# Altium PCB GN-1866-A-V2.PCBDOC (part 1 of 5) (continued)
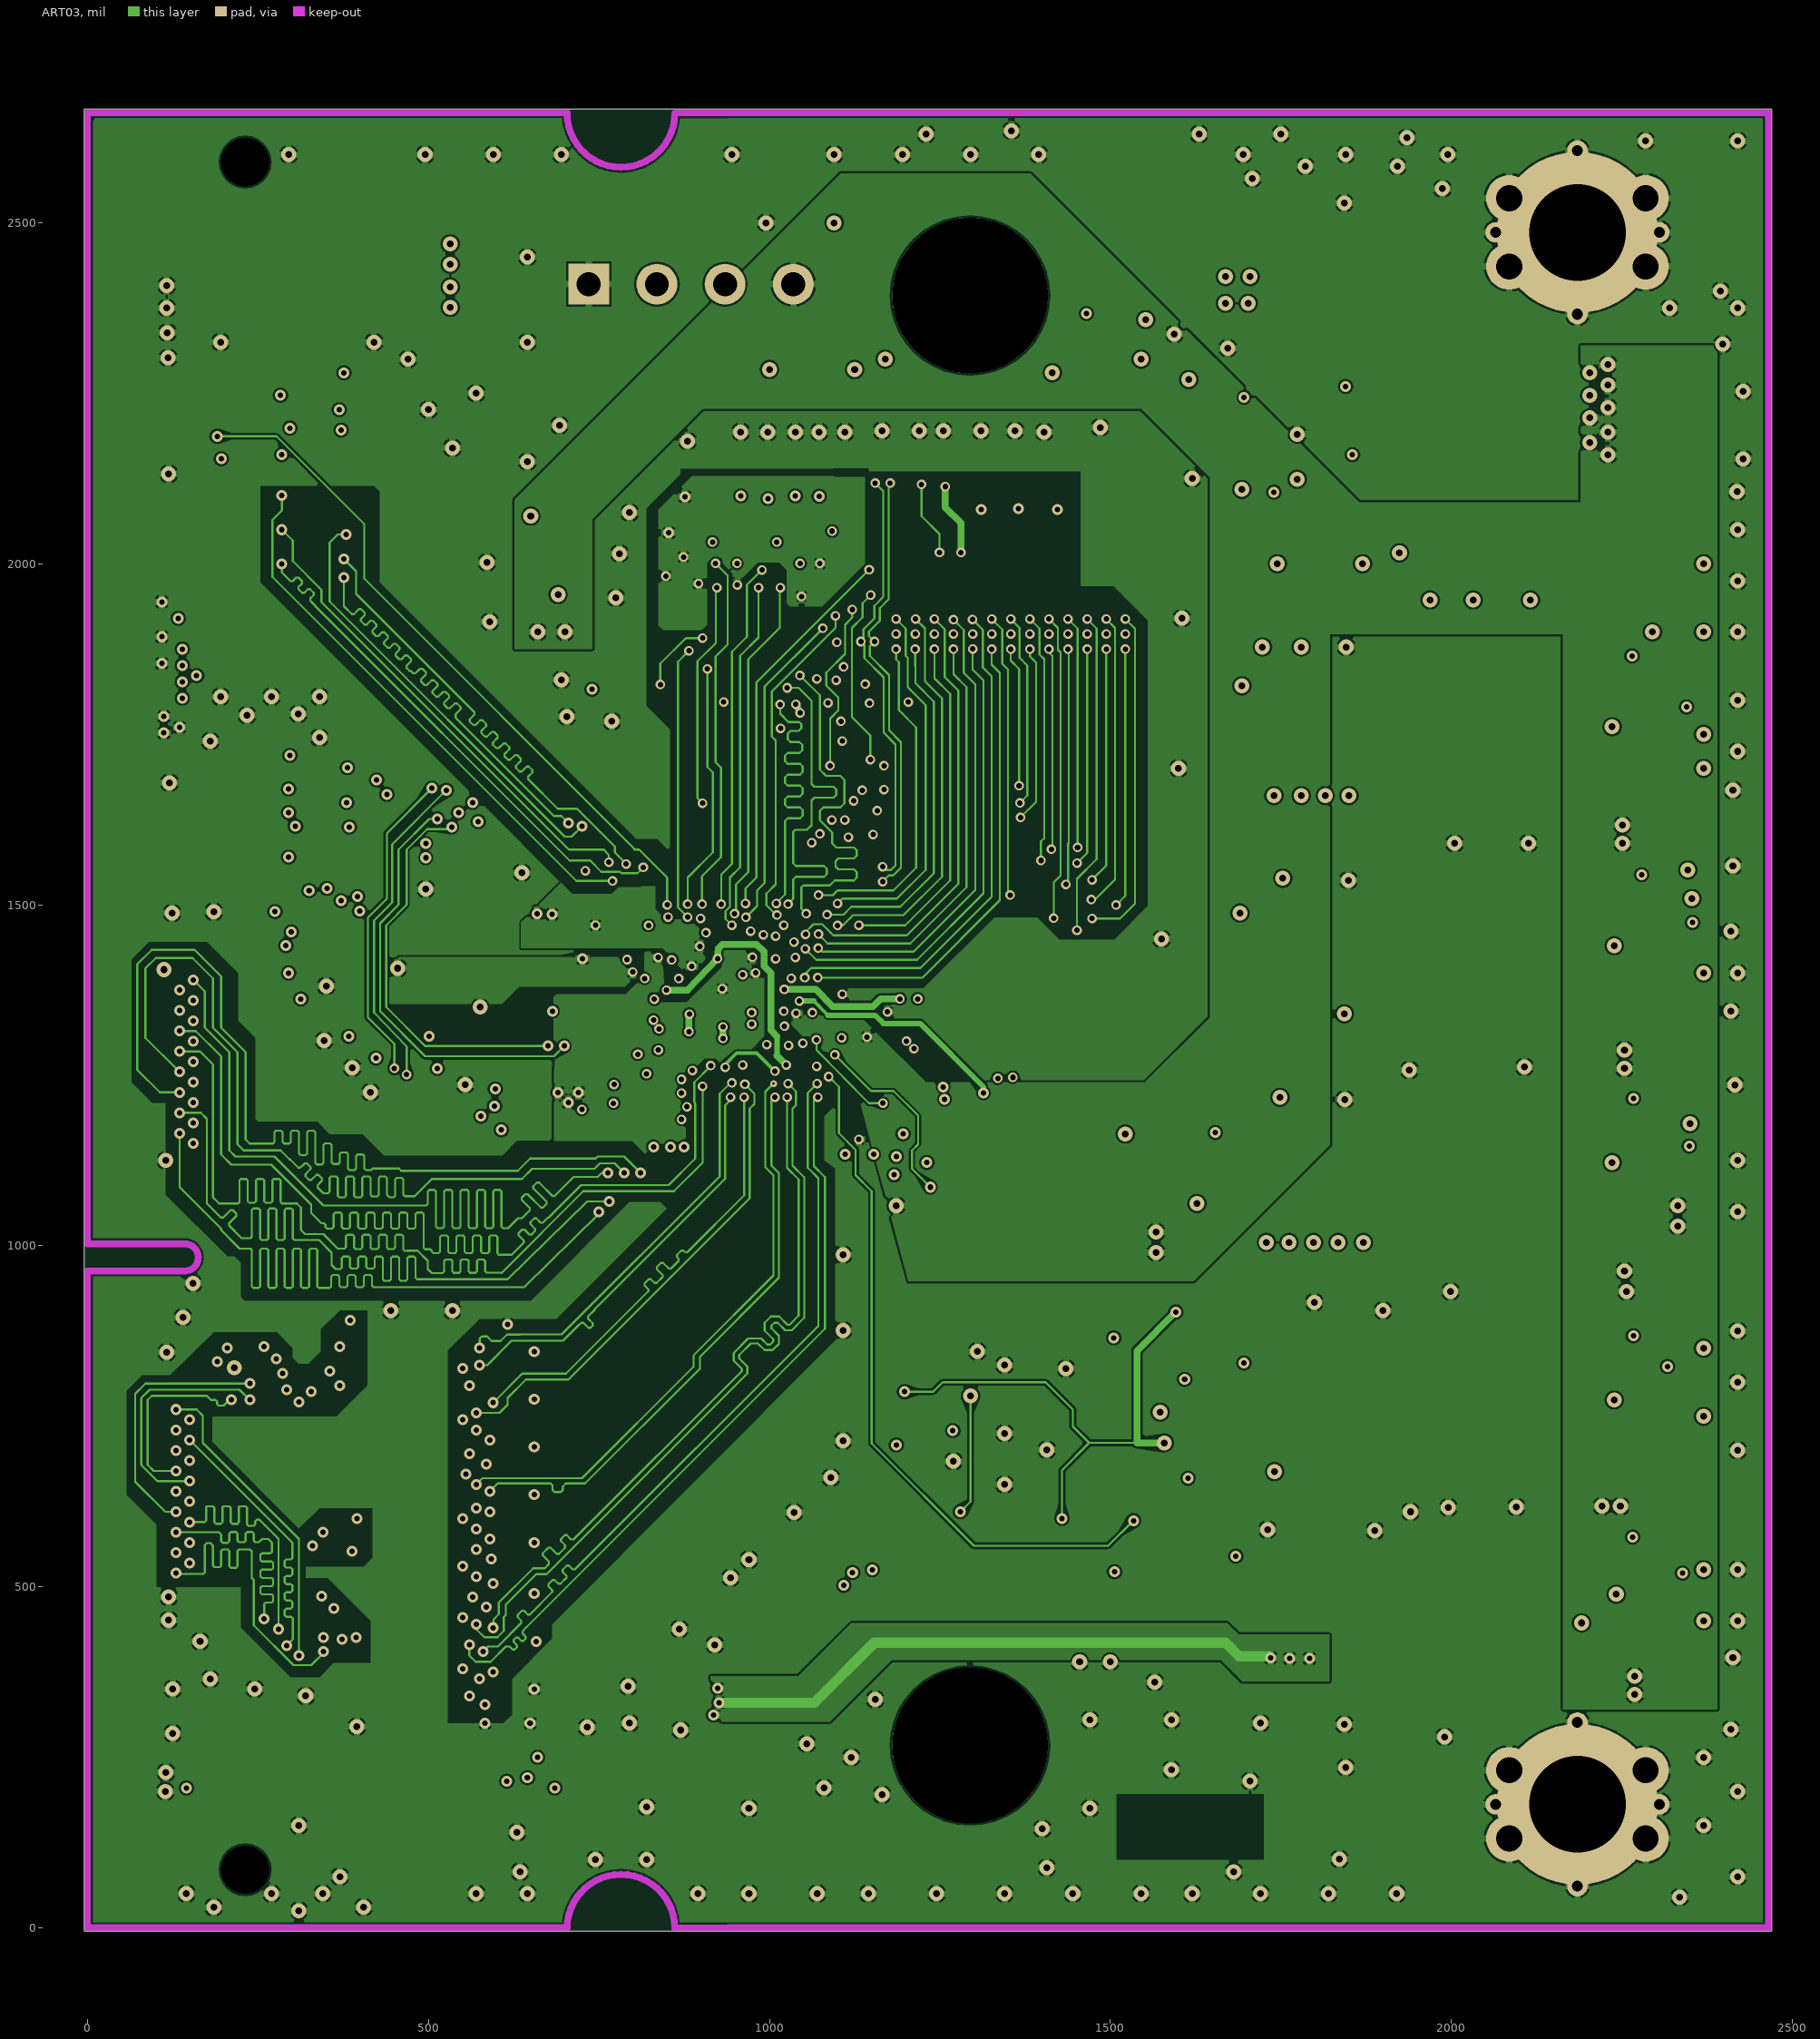
[diagram p3: ART03]
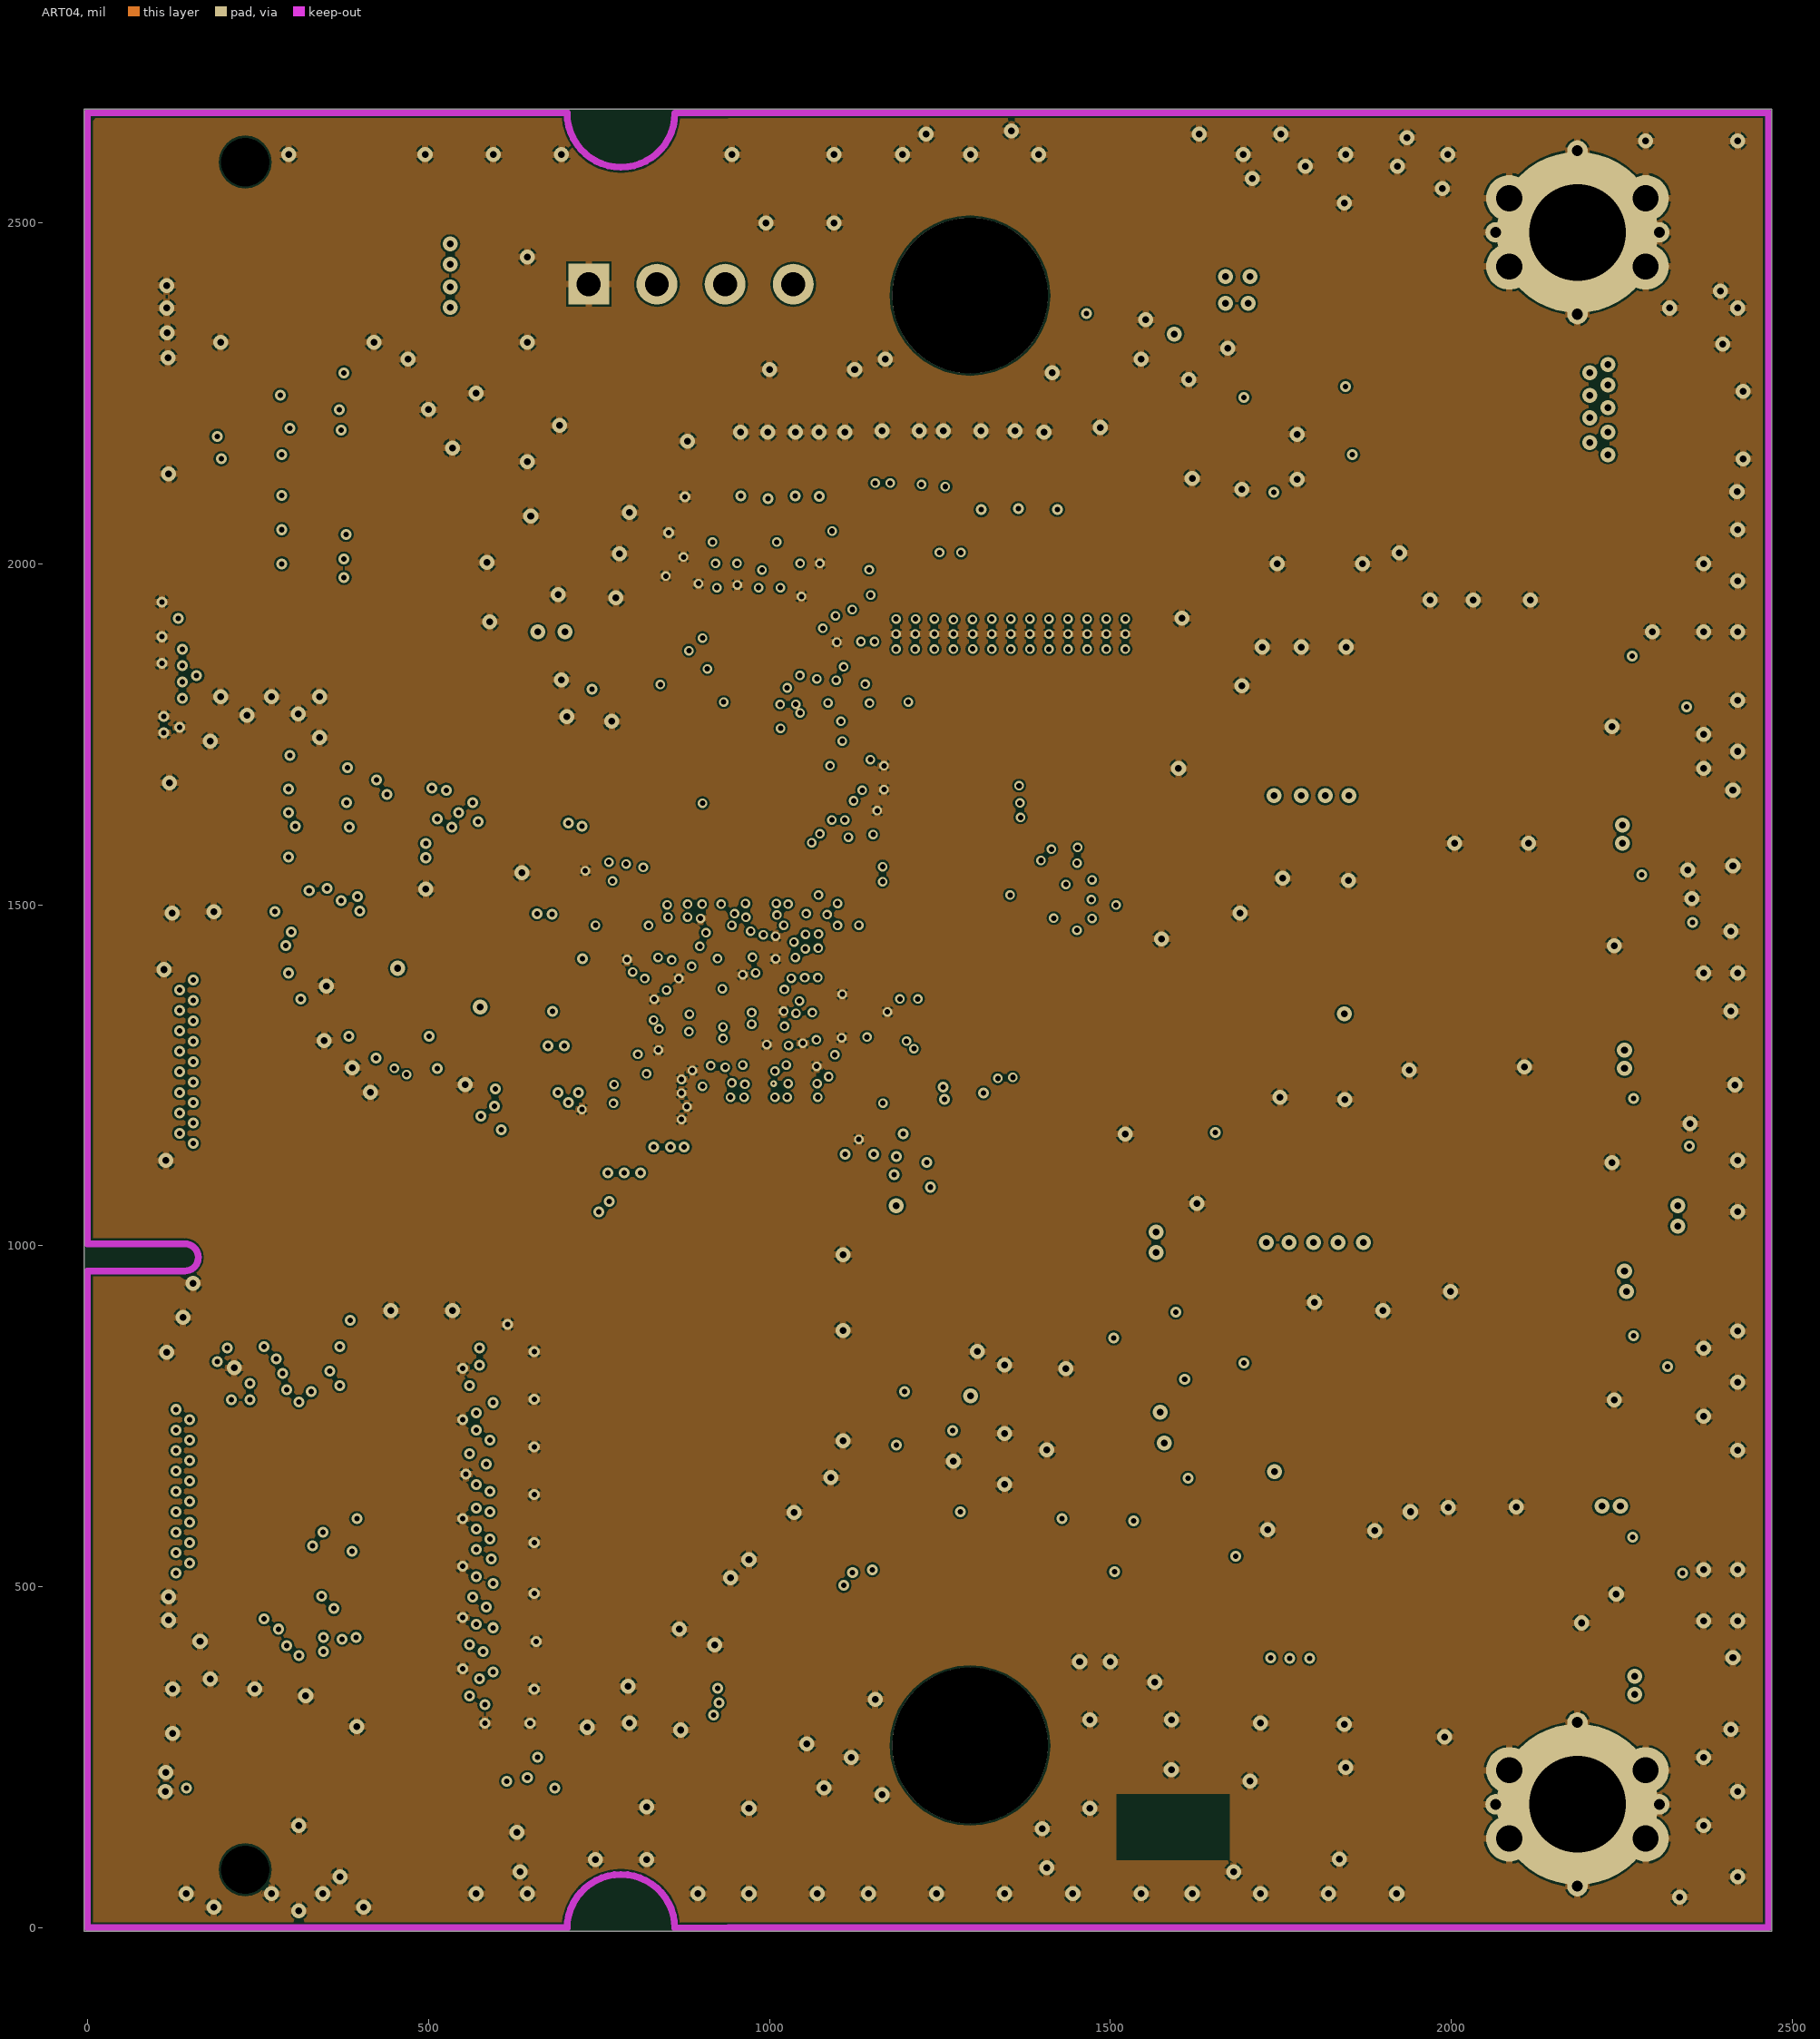
[diagram p4: ART04]
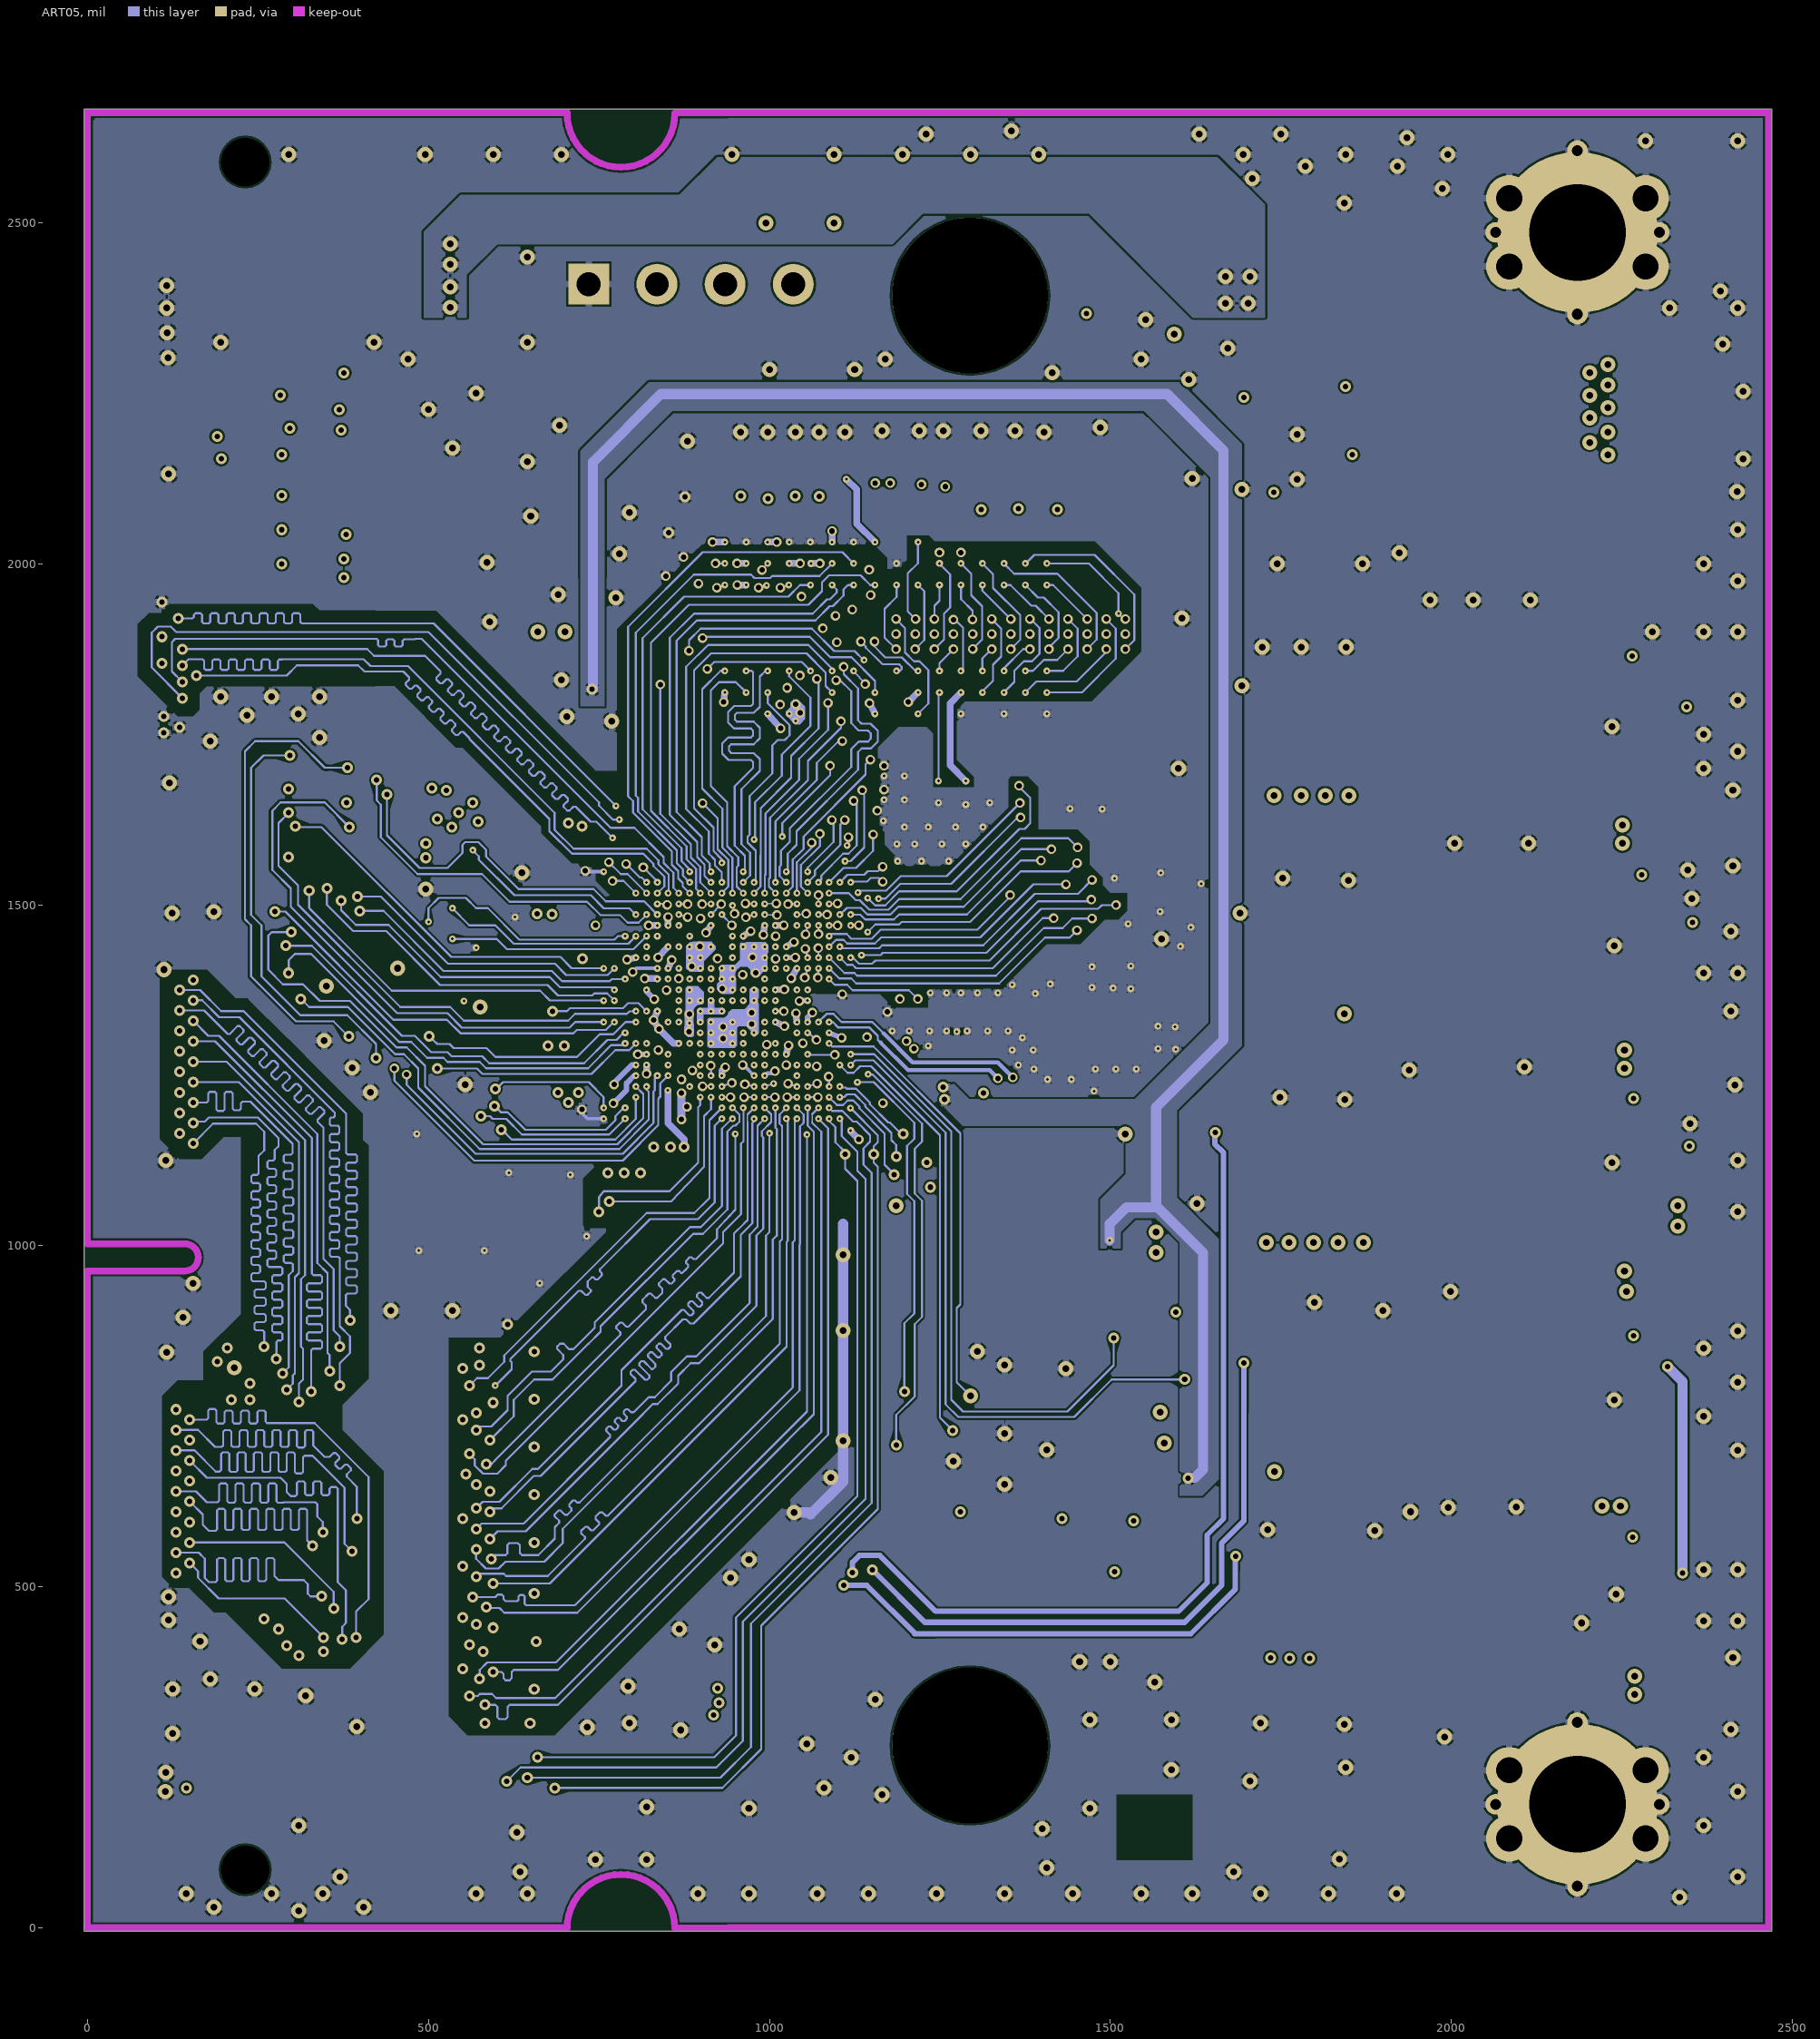
[diagram p5: ART05]

## Layer stack, top to bottom
TOP: signal copper 1.4
Dielectric: dielectric 3, FR-4, Dk 4.5
ART02: signal copper 1
Dielectric: dielectric 3, FR-4, Dk 4.5
ART03: signal copper 1.2
Dielectric: dielectric 28, FR-4, Dk 4.5
ART04: signal copper 1.2
Dielectric: dielectric 3, FR-4, Dk 4.5
ART05: signal copper 1
Dielectric: dielectric 3, FR-4, Dk 4.5
BOTTOM: signal copper 1.4

## Board outline
-5,-5.39 2470,-5.39 2470,2666.42 -5,2666.42

## Design rules (kind name [scope] priority, off if disabled: settings)
Clearance "'Default' PADS rule_18" [All] p1: gap=3
Clearance "'Default' PADS rule_15" [IsVia vs IsVia] p2: gap=0.01
ComponentClearance "'Default' PADS rule_12" [All] p1: gap=10 collisioncheckmode=3 verticalgap=10 showdistances=FALSE
FabricationTestPointUsage TestPointUsage [All] p1: valid=0 allowmultiple=FALSE
FabricationTestpoint Testpoint [All] p1: side=3 testpointundercomponent=TRUE minsize=40 maxsize=100 preferedsize=60 minholesize=0 maxholesize=40 preferedholesize=32 testpointgrid=1 allowsidetop=TRUE allowsidebottom=TRUE usegrid=TRUE gridtolerance=0.01
FlightTimeFalling "'Default' PADS rule_10" [All] p1: maximum=10.00
FlightTimeRising "'Default' PADS rule_9" [All] p1: maximum=10.00
Length "'Default' PADS rule_5" [All] p1: maxlimit=50000 minlimit=0
MatchedLengths "'Default' PADS rule_11" [InNetClass('All Nets')] p1: tolerance=200 checknetsindiffpair=TRUE checkdiffpairvsdiffpair=TRUE checkothers=TRUE
MaxMinImpedance "'Default' PADS rule_8" [All] p1: minimum=50.00 maximum=150.0
ParallelSegment "'Default' PADS rule_7" [All] p1: limit=1000 gap=200
ParallelSegment "'Default' PADS rule_6" [All] p2: limit=1000 gap=200
PlaneClearance "'Default' PADS rule_14" [All] p1: clearance=3
PlaneConnect "Power Plane Connect Style - pads with no thermal" [(Name='J1-205') Or (Name='J1-206') Or (Name='M5-1') Or (Name='M6-1')] p1: planeconnectstyle=Direct reliefexpansion=20 reliefentries=4 reliefconductorwidth=10 reliefairgap=10 // PAD - No Thermal Connect Rule
PlaneConnect "Power Plane Connect Style - from global settings" [All] p2: planeconnectstyle=Direct reliefexpansion=20 reliefentries=2 reliefconductorwidth=1 reliefairgap=10
PolygonConnect [All] p1: connectstyle=Direct reliefconductorwidth=10 reliefentries=4 polygonreliefangle="90 Angle"
RoutingLayers "'Default' PADS rule_3" [All] p1: top layer_v5=TRUE mid layer 1_v5=TRUE mid layer 2_v5=TRUE mid layer 3_v5=TRUE mid layer 4_v5=TRUE bottom layer_v5=TRUE
RoutingPriority "'Default' PADS rule_2" [All] p1: routingpriority=0
RoutingTopology "'Default' PADS rule" [All] p1: topology=Shortest
RoutingVias "'Default' PADS rule_4" [All] p1: holewidth=8 width=16 viastyle="Through Hole" minholewidth=8 minwidth=16 maxholewidth=8 maxwidth=16
SMDToCorner "'Default' PADS rule_16" [All] p1: distance=100
SMDToPlane "'Default' PADS rule_17" [All] p1: distance=100
SilkscreenOverComponentPads [All] p1: minsilkscreentomaskgap=10
SolderMaskExpansion [All] p1: expansion=4
Width "'Default' PADS rule_13" [All] p1: maxlimit=100 minlimit=2 preferedwidth=3
19 further rules are at their usual default settings.

## Components (designator, comment, footprint, x,y, rotation, side; value= is the part's Value field where it differs from the comment)
1V8 "PADA" PADA 1749,1317 r180 bottom
3V3 "PADA" PADA 2355,2037 r180 bottom
BBBB "0603" 0603 385,2420 r0 top
C1 "SC0402" SC0402 2274,535 r90 top
C2 "HSC0402" HSC0402 1744,1151 r270 top
C3 "SC0402" SC0402 1764,525 r90 top
C4 "SC0402" SC0402 2314,1161 r90 top
C5 "SC0402" SC0402 945,2340 r0 top
C6 "SC0402" SC0402 825,2340 r180 top
C7 "SC0402" SC0402 1313,2144 r90 bottom
C8 "SC0402" SC0402 1488,1659 r270 bottom
C9 "SC0402" SC0402 1348,1669 r270 top
C10 "SC0603" SC0603 1629,720 r270 bottom
C11 "SC0402" SC0402 1875,2220 r90 top
C12 "SC0402" SC0402 1735,2170 r270 top
C13 "SC0402" SC0402 2215,357 r180 top
C14 "SC0402" SC0402 1772,813 r90 top
C15 "SC0402" SC0402 1725,2320 r180 top
C16 "HSC0201" HSC0201 998,1342.99 r0 top
C17 "SC0402" SC0402 733.38,1493.03 r90 top
C18 "HSC0201" HSC0201 998,1280.99 r0 top
C19 "HSC0201" HSC0201 860,1301 r180 top
C20 "HSC0201" HSC0201 860.08,1274.59 r180 top
C21 "SC0402" SC0402 771,1296 r270 top
C22 "HSC0201" HSC0201 816,1239 r0 top
C23 "SC0402" SC0402 2284,1489 r90 top
C24 "SC0402" SC0402 1110.98,2145.5 r90 top
C25 "SC0402" SC0402 997.38,2145.03 r90 top
C26 "HSC0201" HSC0201 872,1415 r270 top
C27 "HSC0201" HSC0201 900.18,1414.53 r270 top
C28 "HSC0201" HSC0201 1091.88,1315.59 r90 top
C29 "HSC0201" HSC0201 1038,1316 r270 top
C30 "HSC0201" HSC0201 1008.08,1389.59 r90 top
C31 "HSC0201" HSC0201 940,1265 r270 top
C32 "HSC0201" HSC0201 987,1218 r270 top
C33 "HSC0201" HSC0201 648,1229 r180 bottom
C34 "SC0402" SC0402 958,2145.5 r90 top
C35 "SC0402" SC0402 2294,1279 r0 top
C36 "SC1206" SC1206 2350,1610 r0 bottom
C37 "SC1206" SC1206 2356,1287 r0 bottom
C38 "HSC0201" HSC0201 1003.08,1432.59 r90 top
C39 "HSC0201" HSC0201 954,1483 r90 top
C40 "HSC0201" HSC0201 826,1441.01 r180 top
C41 "SC0402" SC0402 1503,436 r270 bottom
C42 "HSC0201" HSC0201 826,1407.99 r180 top
C43 "SC0402" SC0402 2302,613 r0 top
C44 "1210" 1210 1775,2470 r90 bottom
C45 "SC0402" SC0402 1647,627 r0 bottom
C46 "1210" 1210 1915,2470 r90 bottom
C47 "6032" 6032 2125,2020 r0 bottom
C48 "SC0402" SC0402 1515,1008 r0 bottom
C49 "SC0402" SC0402 1494,1152 r90 bottom
C50 "SC0402" SC0402 1320,1287 r0 bottom
C51 "PADA" PADA 1161,1596 r180 bottom
C52 "RECV" RECV 609,1983 r90 bottom
C53 "PB" PB 609,1761 r90 bottom
C54 "ESD_MINI" ESD_MINI 345,1086 r90 bottom
C55 "HSC0201" HSC0201 811,1359 r180 top
C57 "HSC0201" HSC0201 1048,1492 r0 top
C58 "SC0603" SC0603 1508,2110.5 r270 top
C59 "SC0402" SC0402 1388,1669 r270 top
C66 "SC1206" SC1206 2330,2160 r0 bottom
C67 "SC1206" SC1206 1834,485 r90 bottom
C68 "SC1206" SC1206 1724,1111 r90 bottom
C69 "SC1206" SC1206 2349,961 r0 top
C70 "SC1206" SC1206 1734,485 r90 bottom
C71 "SC1206" SC1206 1742,763 r90 bottom
C72 "SC1206" SC1206 1842,763 r90 bottom
C74 "SC0402" SC0402 1513,1854 r90 top
C75 "SC1206" SC1206 2362,348 r0 bottom
C76 "SC1206" SC1206 2330,2260 r0 bottom
C78 "SC1206" SC1206 2347,623 r0 bottom
C79 "SC0402" SC0402 2305,1590 r0 top
C82 "SC1206" SC1206 1834,1111 r90 bottom
C104 "SC0402" SC0402 2275,1810 r90 top
C137 "SC0402" SC0402 1513,1854 r270 bottom
C138 "SC0402" SC0402 1313,1165 r180 top
C139 "SC0402" SC0402 1388,1165 r0 top
C144 "HSC0201" HSC0201 1037.08,1452.59 r90 top
C145 "HSC0201" HSC0201 785,1463 r180 top
C146 "HSC0201" HSC0201 1065,1316 r270 top
C147 "HSC0201" HSC0201 990.08,1474.09 r180 top
C148 "HSC0201" HSC0201 811,1329 r180 top
C149 "HSC0201" HSC0201 811,1299 r180 top
C150 "HSC0201" HSC0201 1062.08,1452.59 r90 top
C151 "HSC0201" HSC0201 1044.08,1409.59 r90 top
C153 "HSC0201" HSC0201 990.08,1499.59 r180 top
C154 "HSC0201" HSC0201 927,1402 r90 top
C155 "HSC0201" HSC0201 889,1474 r180 top
C156 "HSC0201" HSC0201 918,1366 r180 top
C157 "SC0402" SC0402 1073,2145.5 r90 bottom
C158 "SC0402" SC0402 1073,2145.5 r90 top
C159 "SC0402" SC0402 1403,2145.5 r90 top
C160 "SC0402" SC0402 916.58,2145.23 r90 top
C161 "SC0402" SC0402 1285,1665.5 r270 bottom
C162 "SC0402" SC0402 1128,2145.5 r90 bottom
C163 "SC0402" SC0402 1258,2145.5 r90 top
C164 "SC0402" SC0402 1198,1669 r270 top
C165 "SC0402" SC0402 1441.38,1659.03 r270 bottom
C166 "SC0402" SC0402 998,2145.5 r90 bottom
C167 "SC0402" SC0402 1038,2145.5 r90 bottom
C168 "SC0402" SC0402 1446.38,2145.5 r90 top
C169 "SC0402" SC0402 1403,2145.5 r90 bottom
C170 "SC1206" SC1206 1775,2450 r90 top
C171 "SC0402" SC0402 1038,2145.5 r90 top
C174 "SC0402" SC0402 958,2145.5 r90 bottom
C175 "HSC0201" HSC0201 1228,1349 r0 top
C183 "HSC0201" HSC0201 1091,1359 r90 top
C184 "HSC0201" HSC0201 1046.88,1264.75 r270 top
C197 "SC1206" SC1206 1745,1770 r90 bottom
C198 "SC1206" SC1206 1744,1429 r90 bottom
C199 "SC1206" SC1206 1845,1770 r90 bottom
C201 "SC1206" SC1206 2349,961 r0 bottom
C202 "SC1206" SC1206 1844,1429 r90 bottom
C212 "SC0402" SC0402 1454,442 r270 bottom
C219 "SC0402" SC0402 1428,1268.89 r180 bottom
C220 "SC0402" SC0402 1428,1384 r180 bottom
C229 "SC0603" SC0603 1508,2109 r270 bottom
C231 "SC0603" SC0603 1565,421 r90 bottom
C279 "SC0402" SC0402 585,2420 r0 top
C306 "HSC0201" HSC0201 1066,1359 r90 top
C307 "HSC0201" HSC0201 953,1207 r180 top
C308 "HSC0201" HSC0201 953,1228 r180 top
C309 "HSC0201" HSC0201 846.08,1363.59 r270 top
C310 "HSC0201" HSC0201 1121.03,1315.62 r270 top
C311 "SC0402" SC0402 1153,1439 r270 top
C312 "HSC0201" HSC0201 817,1500 r180 top
C313 "HSC0201" HSC0201 1143,1359.5 r90 top
C314 "HSC0201" HSC0201 961.1,1408 r180 top
C326 "SC0402" SC0402 2206,936 r180 top
C333 "SC0603" SC0603 618,1269 r0 bottom
C340 "HSC0201" HSC0201 961,1383 r180 top
C341 "HSC0201" HSC0201 883,1449 r180 top
C343 "HSC0201" HSC0201 871.08,1363.59 r90 top
C344 "HSC0201" HSC0201 945,1331 r90 top
C345 "HSC0201" HSC0201 861.08,1329.59 r180 top
C346 "HSC0201" HSC0201 911,1331 r90 top
C347 "HSC0201" HSC0201 961.1,1433 r180 top
C348 "HSC0201" HSC0201 998,1313.99 r0 top
C349 "HSC0201" HSC0201 777,1497 r90 top
C350 "HSC0201" HSC0201 1069.08,1409.59 r90 top
C351 "HSC0201" HSC0201 917.08,1499.59 r0 top
C448 "SC0402" SC0402 1085,2300 r270 top
C463 "SC0402" SC0402 2195,2090 r270 top
C480 "SC0603" SC0603 1035,2290 r90 top
C487 "SC0402" SC0402 1824,1051 r90 top
CPU_CORE "PADA" PADA 1827,375 r180 bottom
DDR_CORE "PADA" PADA 1833,642 r180 bottom